# KiCad board Soldered Inkplate 6.kicad_pcb
title: Soldered Inkplate 6; date: 2022-12-09; rev: V1.2.0; company: SOLDERED; note: 333232
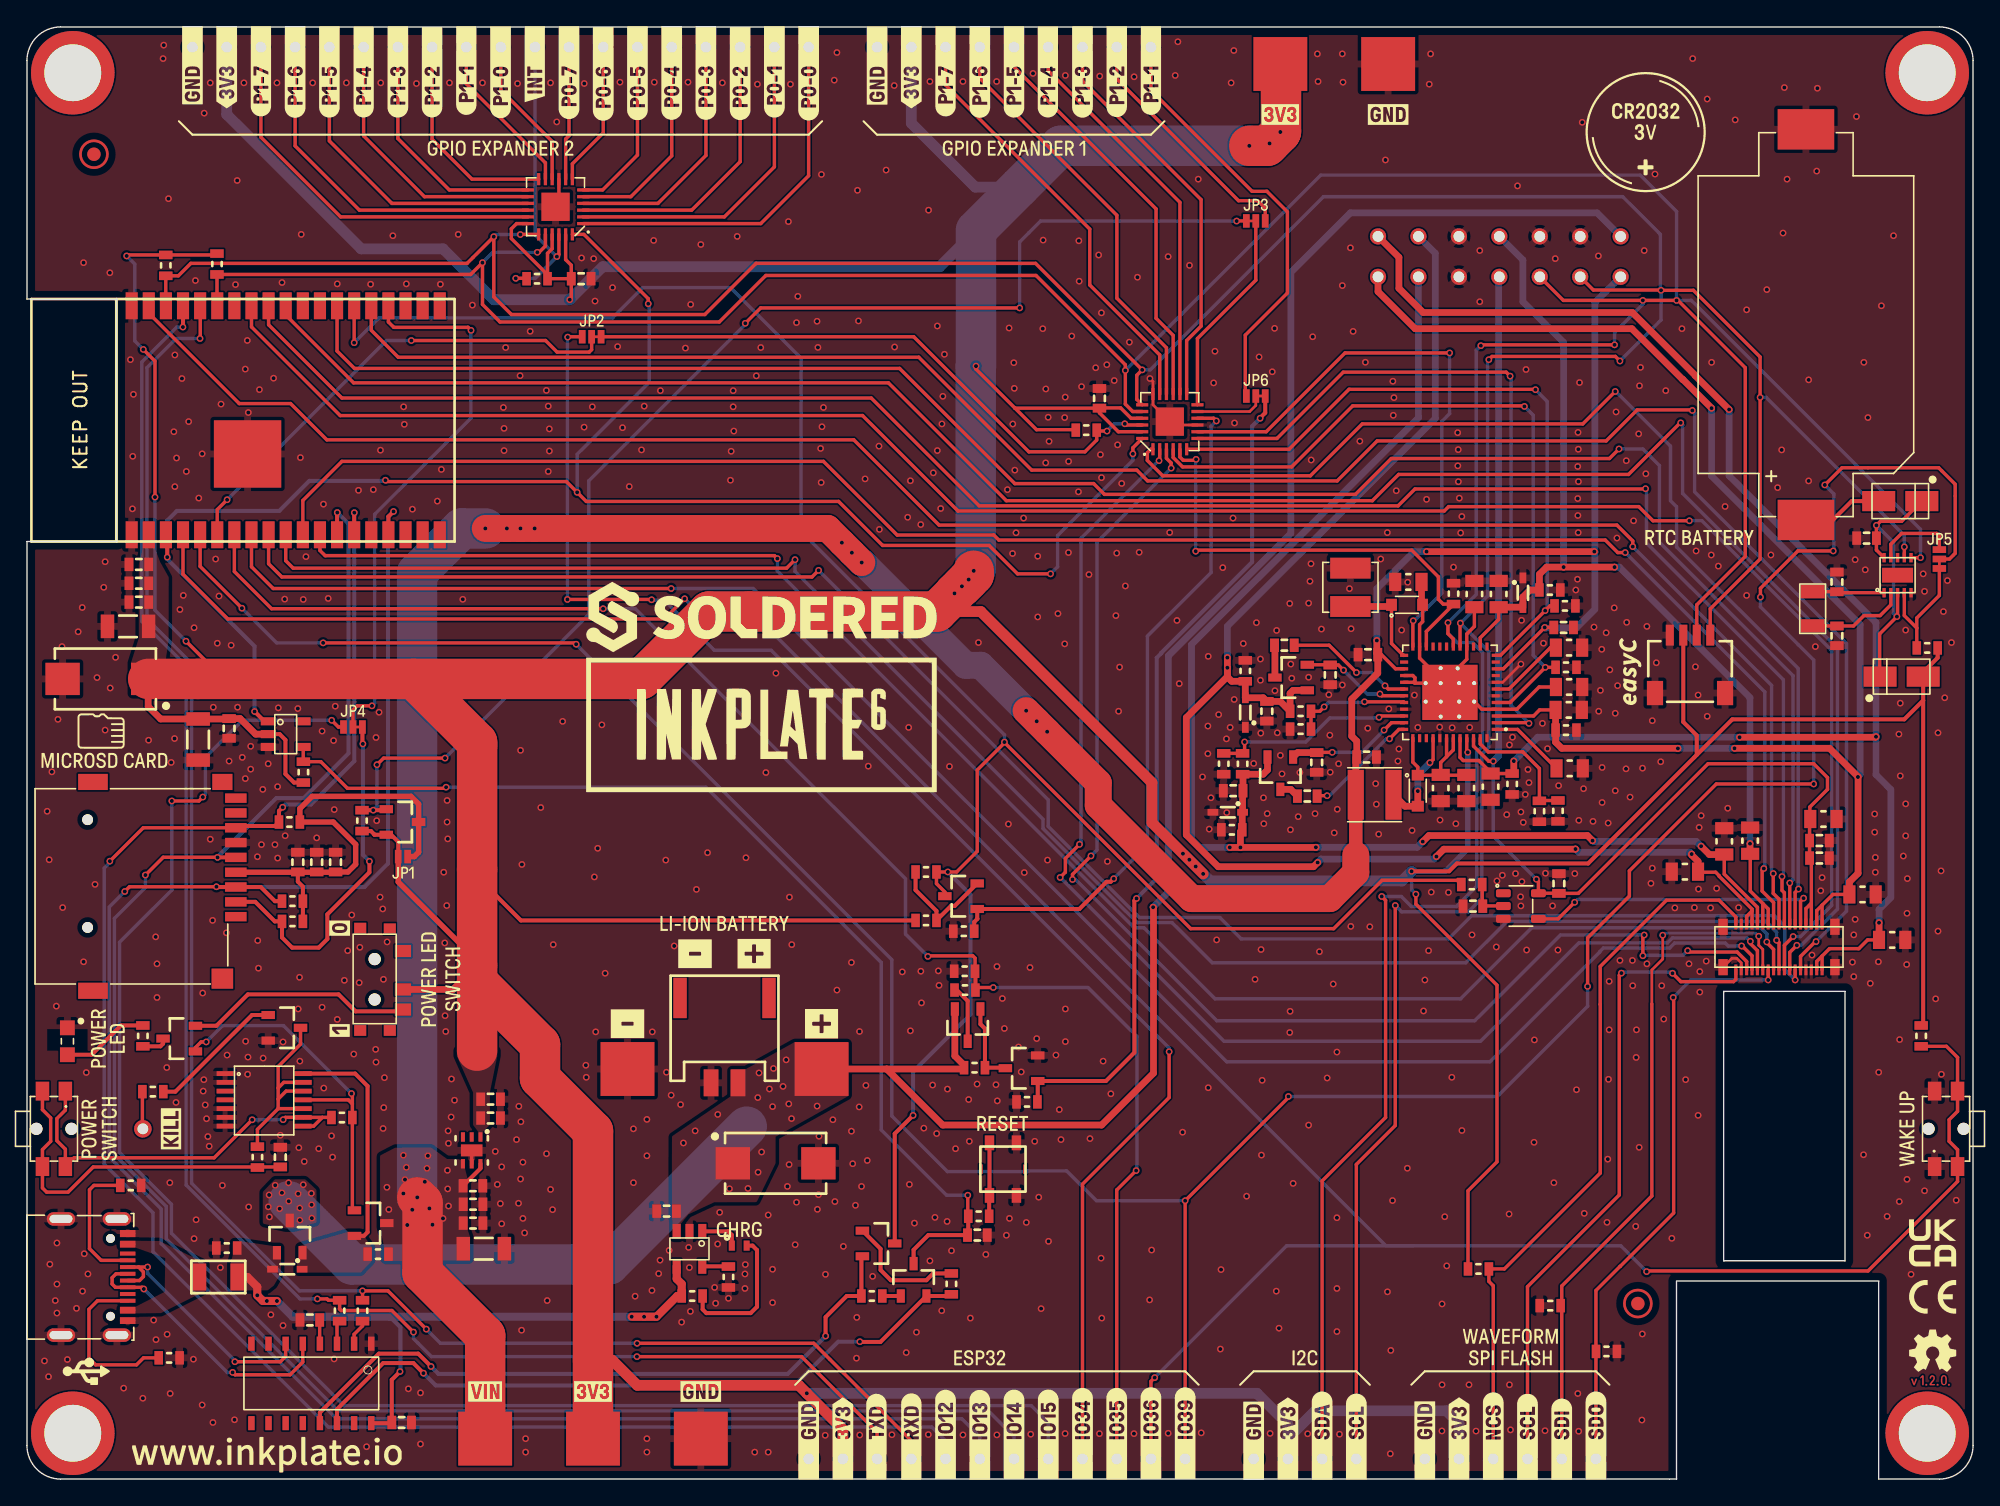
[diagram p0: board, top side]
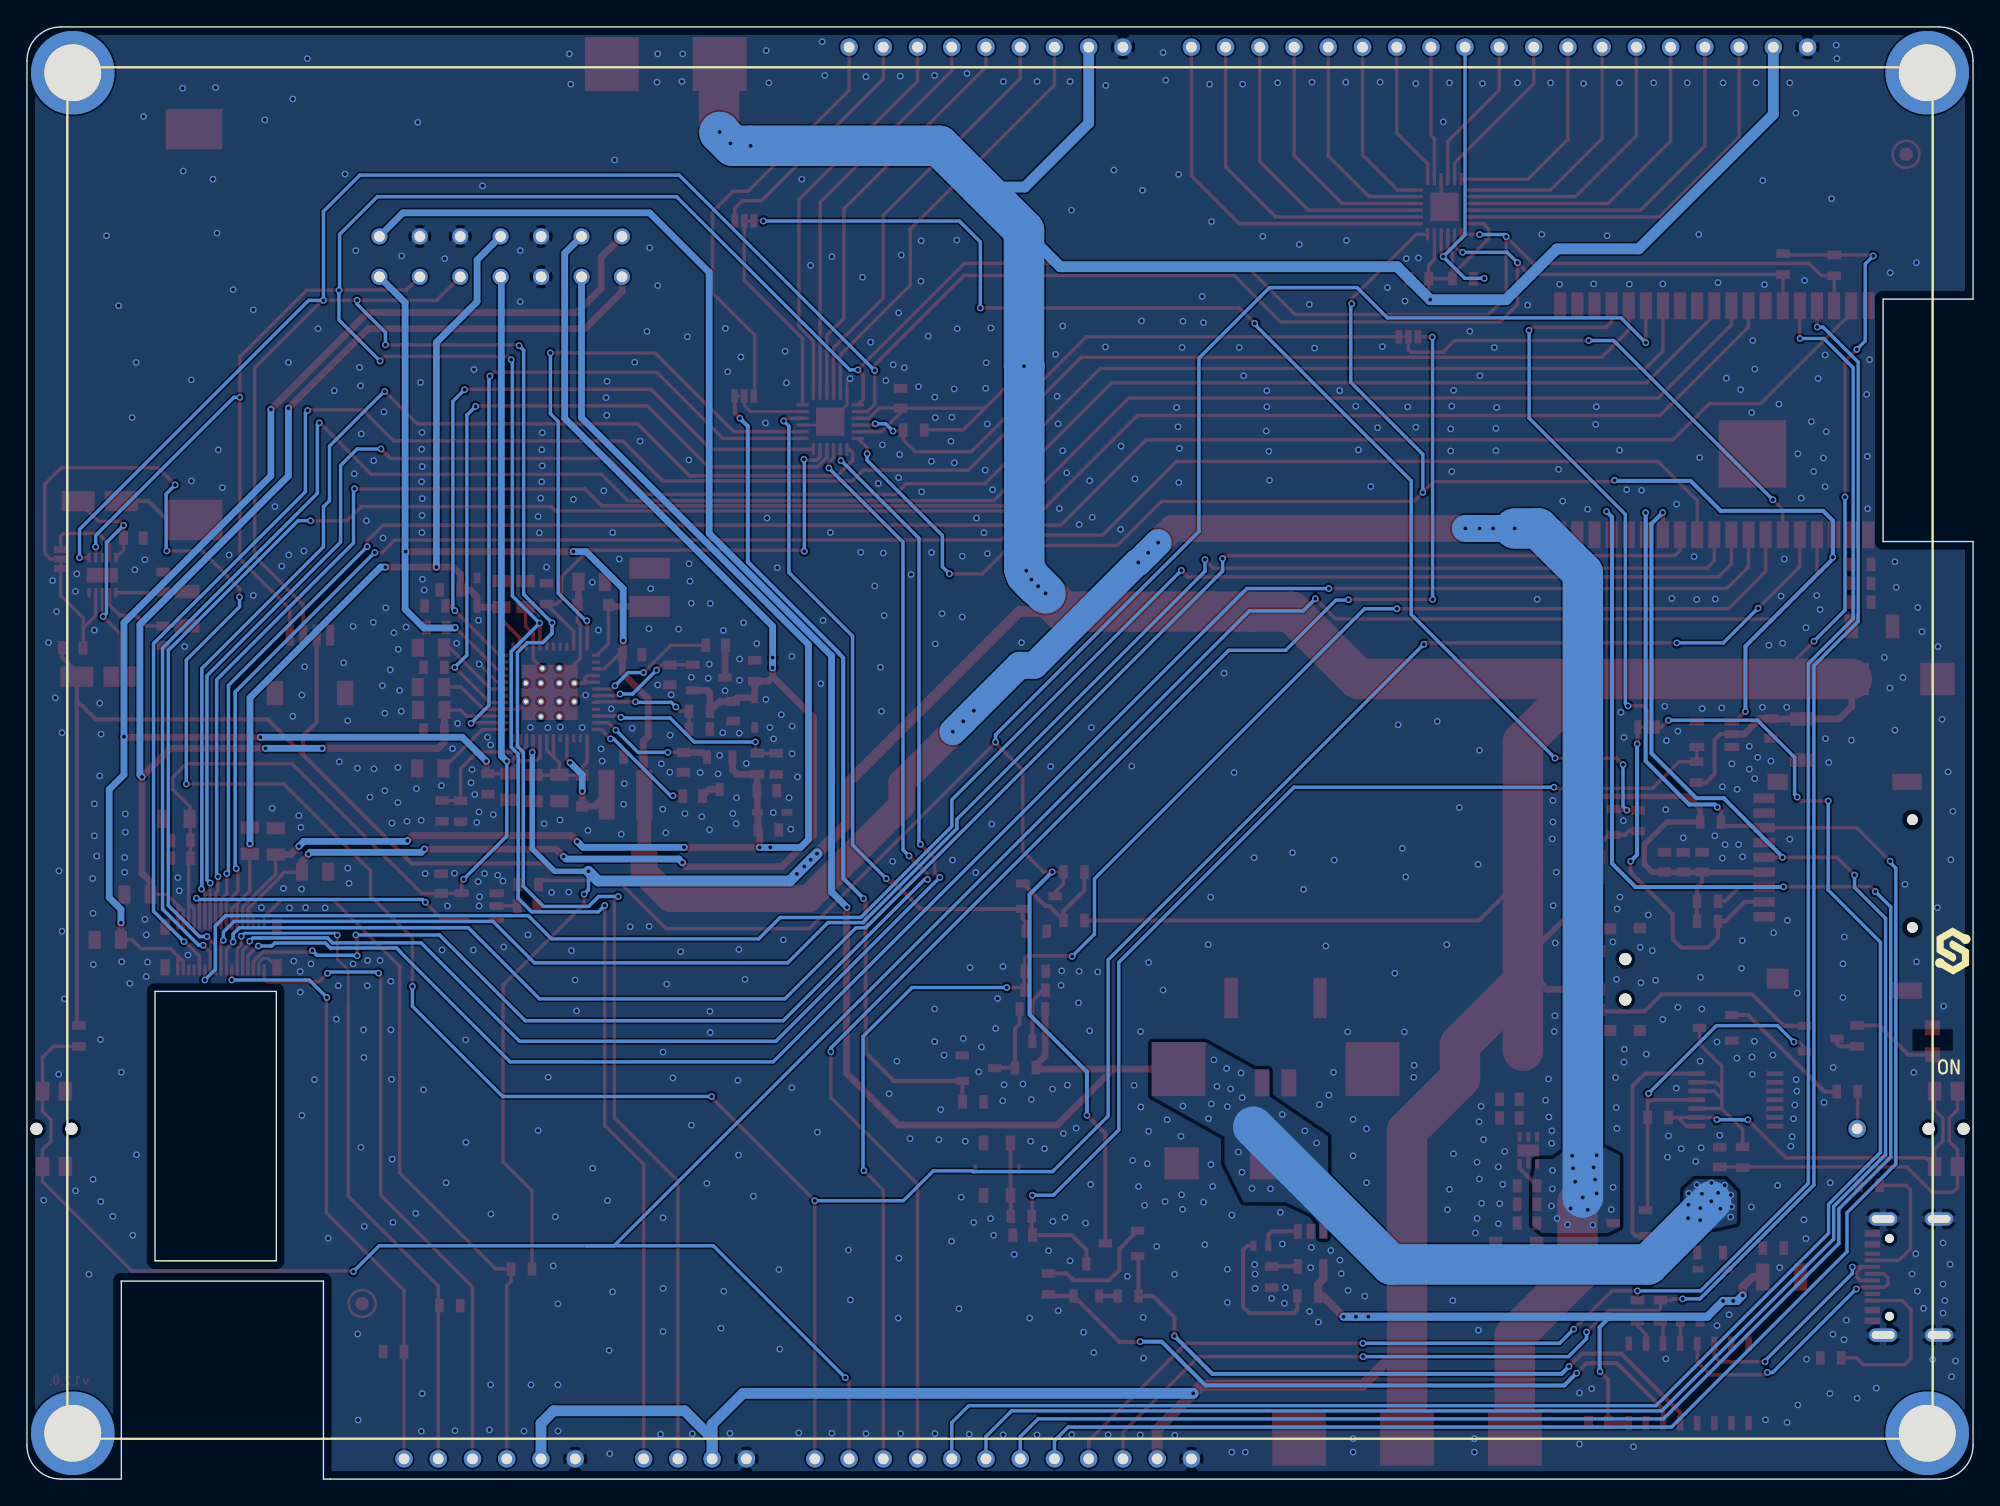
[diagram p1: board, bottom side, seen from below]

Outline 144.4 x 107.8 mm; copper layers: Top, Bottom. Coordinates in mm from the lower left corner of the outline.
Outline path: 0,105.3 arc(0.73,107.07) 2.5,107.8 141.9,107.8 arc(143.67,107.07) 144.4,105.3 144.4,2.5 arc(143.67,0.73) 141.9,0 137.4,0 137.4,14.7 122.4,14.7 122.4,0 2.5,0 arc(0.73,0.73) 0,2.5 0,69.6 6.67,69.6 6.67,87.6 0,87.6 0,105.3 ; 125.9,36.2 125.9,16.2 134.9,16.2 134.9,36.2 125.9,36.2
Stack: Top 0.035mm / dielectric 1.51mm FR4 er 4.5 / Bottom 0.035mm

## Placement (name value [footprint] x y rotation side)
C1  4u7-TMK212AB7475KG-T  [0805C]  114.47 52.76 180 top
C2  4u7-TMK212AB7475KG-T  [0805C]  114.4 57.1 180 top
C3  4u7-TMK212AB7475KG-T  [0805C]  114.43 58.8 180 top
C4  4u7-TMK212AB7475KG-T  [0805C]  114.42 61.72 180 top
C5  10u-GRM188R61E106KA73J  [0603C]  114.02 63.22 180 top
C6  4u7-TMK212AB7475KG-T  [0805C]  109.2 65.7 270 top
C7  4u7-TMK212AB7475KG-T  [0805C]  107.4 65.7 270 top
C8  10u-GRM188R61E106KA73J  [0603C]  99.5 61.2 0 top
C9  4u7-TMK212AB7475KG-T  [0805C]  102.5 66.6 180 top
C10  10u-GRM188R61E106KA73J  [0603C]  99.4 53.6 180 top
C11  4u7-TMK212AB7475KG-T  [0805C]  104.9 51.3 270 top
C12  4u7-TMK212AB7475KG-T  [0805C]  106.8 51.3 90 top
C13  4u7-TMK212AB7475KG-T  [0805C]  108.6 51.4 90 top
C14  2u2-GRM188R61E225MA12D  [0603C]  89.5 51.1 0 top
C15  2u2-GRM188R61E225MA12D  [0603C]  92 57 90 top
C16  10n-AC0603KRX7R8BB103  [0603C]  93.3 61.9 0 top
C17  10n-AC0603KRX7R8BB103  [0603C]  95 50.7 180 top
C18  100n-AC0603KRX7R8BB104  [0603C]  96.7 59.7 90 top
C19  100n-AC0603KRX7R8BB104  [0603C]  95.7 53.2 90 top
C20  DNP  [2917C]  55.55 23.44 0 top
C21  2u2  [0603C]  47.46 19.89 0 top
C22  10u  [1206C]  33.9 17.1 180 top
C23  2u2  [0603C]  33.1 19 180 top
C24  100n  [0603C]  33.1 20.4 180 top
C25  100n  [0603C]  27.8 4.2 180 top
C26  100n  [0603C]  20.99 11.81 0 top
C27  100n  [0603C]  18.8 23.9 270 top
C28  2u2  [0603C]  70.52 18.11 180 top
C29  10u  [1206C]  12.7 54.9 90 top
C30  100n  [0603C]  15 55.72 90 top
C31  100n  [0603C]  113.67 44.21 270 top
C32  2u2  [0603C]  22.9 45.8 270 top
C33  100n  [0603C]  21.5 45.8 270 top
C34  100n  [0603C]  20.1 45.8 270 top
C35  100p  [0603C]  107.29 42.53 0 top
C36  100n  [0603C]  33.09 21.77 180 top
C37  2u2  [0603C]  34.4 28.2 180 top
C38  100n  [0603C]  34.4 26.8 180 top
C39  4u7-TMK212AB7475KG-T  [0805C]  136.2 43.4 180 top
C40  12p  [0603C]  134.3 66.6 270 top
C41  12p  [0603C]  134.3 62.6 90 top
C42  100n  [0603C]  136.5 69.85 0 top
C43  100n  [0603C]  133 46.1 180 top
C44  100n  [0603C]  133 47.4 180 top
C45  4u7-TMK212AB7475KG-T  [0805C]  125.94 47.34 270 top
C46  10u  [1206C]  7.5 63.3 0 top
C47  2u2  [0603C]  8.3 65.1 0 top
C48  100n  [0603C]  8.3 66.5 0 top
C49  100n  [0603C]  8.3 67.9 0 top
C50  DNP  [2917C]  5.82 59.4 180 top
C51  4u7-TMK212AB7475KG-T  [0805C]  138.4 40.03 180 top
C52  4u7-TMK212AB7475KG-T  [0805C]  123.02 45.09 0 top
C53  4u7-TMK212AB7475KG-T  [0805C]  133.3 49 180 top
C54  4u7-TMK212AB7475KG-T  [0805C]  127.86 47.39 270 top
C55  100n  [0603C]  79.58 80.23 270 top
C56  100n  [0603C]  41.12 89.11 180 top
D1  CUS10F30,H3F  [SOD-323-2]  102.4 64.9 0 top
D2  BAT20J  [SOD-323]  89.1 49.5 0 top
D3  CUS10F30,H3F  [SOD-323-2]  103.2 51.1 270 top
D4  BAT20J  [SOD-323]  111 65.8 90 top
D5  BAT20J  [SOD-323]  90.4 56.9 270 top
D6  BAT54S  [SOT-23-3]  93.8 59.5 180 top
D7  RED  [0402LED]  52.85 17.33 180 top
D8  0603LED_SIDE  [LTST-S270GKT]  3 32.5 90 top
D9  BAT54S  [SOT-23-3]  93 52.4 270 top
D10  -  [M4_DIODA]  139.1 59.57 180 top
D11  -  [M4_DIODA]  139 72.6 0 top
D12  BAT20J  [SOD-323]  19.32 15.58 0 top
F1  1206FUSE-500mA  [1206FUSE]  14.2 15 180 top
FD1  FIDUCIAL  [FIDUCIAL_23]  4.97 98.35 0 top
FD2  FIDUCIAL  [FIDUCIAL_23]  119.53 13.03 0 top
G***  LOGO  [Logo-Back-Soldered-3.5mm]  1.5 39.2 0 top
G***#2  LOGO  [Symbol-Front-USB]  4.4 8 270 top
G***#3  LOGO  [Logo-Front-easyC-5mm]  118.9 59.95 90 top
G***#4  LOGO  [Logo-Front-OSH-3.5mm]  141.4 9.53 0 top
G***#5  LOGO  [Symbol-Front-SDcard]  5.5 55.53 270 top
H1  -  [Standoff_M3]  3.4 3.4 0 top
H2  -  [Standoff_M3]  3.4 104.4 0 top
H3  -  [Standoff_M3]  141 104.4 0 top
H4  -  [Standoff_M3]  141 3.4 0 top
JP1  -  [SMD_JUMPER]  27.9 46.21 180 top
JP2  -  [SMD_JUMPER_3_PAD_CONNECTED_LEFT_TRACE]  41.9 84.8 180 top
JP3  -  [SMD_JUMPER_3_PAD_CONNECTED_LEFT_TRACE]  91.18 93.4 0 top
JP4  -  [SMD_JUMPER_3_PAD_CONNECTED_LEFT_TRACE]  24.19 55.83 180 top
JP5  -  [SMD_JUMPER_3_PAD_CONNECTED_LEFT_TRACE]  141.9 68.3 90 top
JP6  -  [SMD_JUMPER_3_PAD_CONNECTED_LEFT_TRACE]  91.18 80.4 180 top
K1  Inkplate_TP  [INKPLATE TEST HEADER]  109.25 90.75 90 top
K2  -  [JST-2pin-SMD]  51.76 32.56 0 top
K3  -  [U262-161N-4BVC11]  3 15 90 top
K4  -  [HEADER_MALE_1X1_Inkplate]  8.6 26 0 top
K5  -  [HEADER_MALE_1X1_Inkplate]  98.64 1.5 180 top
K6  -  [HEADER_MALE_1X1_Inkplate]  91.02 1.5 180 top
K7  -  [HEADER_MALE_1X1_Inkplate]  93.56 1.5 180 top
K8  easyC-SMD  [easyC-connector]  123.4 60.5 180 top
K9  -  [HEADER_MALE_1X1_Inkplate]  96.1 1.5 180 top
K10  -  [HEADER_MALE_1X1_Inkplate]  116.42 1.5 0 top
K11  -  [HEADER_MALE_1X1_Inkplate]  113.88 1.5 0 top
K12  -  [HEADER_MALE_1X1_Inkplate]  108.8 1.5 0 top
K13  -  [HYC77-TF09-200]  10 44 270 top
K14  CR2032_BS-6-1  [CR2032-BS-6-1]  132 85.7 270 top
K15  -  [AXT334124]  130 39.5 180 top
K16  -  [HEADER_MALE_1X1_Inkplate]  111.34 1.5 0 top
K17  -  [HEADER_MALE_1X1_Inkplate]  78.32 1.5 180 top
K18  -  [HEADER_MALE_1X1_Inkplate]  80.86 1.5 0 top
K19  -  [HEADER_MALE_1X1_Inkplate]  78.32 106.3 0 top
K20  -  [HEADER_MALE_1X1_Inkplate]  63.08 1.5 0 top
K21  -  [HEADER_MALE_1X1_Inkplate]  65.62 1.5 0 top
K22  -  [HEADER_MALE_1X1_Inkplate]  73.24 1.5 0 top
K23  -  [HEADER_MALE_1X1_Inkplate]  75.78 106.3 0 top
K24  -  [HEADER_MALE_1X1_Inkplate]  73.24 106.3 0 top
K25  -  [HEADER_MALE_1X1_Inkplate]  68.16 1.5 0 top
K26  -  [HEADER_MALE_1X1_Inkplate]  70.7 1.5 0 top
K27  -  [HEADER_MALE_1X1_Inkplate]  85.94 1.5 0 top
K28  -  [HEADER_MALE_1X1_Inkplate]  83.4 1.5 0 top
K29  -  [HEADER_MALE_1X1_Inkplate]  75.78 1.5 0 top
K30  -  [HEADER_MALE_1X1_Inkplate]  106.26 1.5 0 top
K31  -  [HEADER_MALE_1X1_Inkplate]  70.7 106.3 0 top
K32  -  [HEADER_MALE_1X1_Inkplate]  68.16 106.3 0 top
K33  -  [HEADER_MALE_1X1_Inkplate]  80.86 106.3 0 top
K34  -  [HEADER_MALE_1X1_Inkplate]  83.4 106.3 0 top
K35  -  [HEADER_MALE_1X1_Inkplate]  58 106.3 180 top
K36  -  [HEADER_MALE_1X1_Inkplate]  55.46 106.3 180 top
K37  -  [HEADER_MALE_1X1_Inkplate]  52.92 106.3 180 top
K38  -  [HEADER_MALE_1X1_Inkplate]  50.38 106.3 180 top
K39  -  [HEADER_MALE_1X1_Inkplate]  47.84 106.3 180 top
K40  -  [HEADER_MALE_1X1_Inkplate]  45.3 106.3 180 top
K41  -  [HEADER_MALE_1X1_Inkplate]  42.76 106.3 180 top
K42  -  [HEADER_MALE_1X1_Inkplate]  40.22 106.3 180 top
K43  -  [HEADER_MALE_1X1_Inkplate]  35.16 106.3 180 top
K44  -  [HEADER_MALE_1X1_Inkplate]  32.6 106.3 180 top
K45  -  [HEADER_MALE_1X1_Inkplate]  30.06 106.3 180 top
K46  -  [HEADER_MALE_1X1_Inkplate]  27.52 106.3 180 top
K47  -  [HEADER_MALE_1X1_Inkplate]  24.98 106.3 180 top
K48  -  [HEADER_MALE_1X1_Inkplate]  22.44 106.3 180 top
K49  -  [HEADER_MALE_1X1_Inkplate]  19.9 106.3 180 top
K50  -  [HEADER_MALE_1X1_Inkplate]  17.36 106.3 180 top
K51  -  [HEADER_MALE_1X1_Inkplate]  65.62 106.3 0 top
K52  -  [HEADER_MALE_1X1_Inkplate]  60.54 1.5 180 top
K53  -  [HEADER_MALE_1X1_Inkplate]  37.7 106.3 180 top
K54  -  [HEADER_MALE_1X1_Inkplate]  63.08 106.3 0 top
K55  -  [HEADER_MALE_1X1_Inkplate]  58 1.5 180 top
K56  -  [HEADER_MALE_1X1_Inkplate]  14.82 106.3 180 top
K57  -  [HEADER_MALE_1X1_Inkplate]  12.28 106.3 180 top
K58  -  [HEADER_MALE_1X1_Inkplate]  103.72 1.5 0 top
kibuzzard-630F2B35  G***  [kibuzzard-630F2B35]  5.75 53.35 0 top
kibuzzard-630F2BCB  G***  [kibuzzard-630F2BCB]  6.1 26 90 top
kibuzzard-630F2BF2  G***  [kibuzzard-630F2BF2]  4.6 26 90 top
kibuzzard-630F2CB9  G***  [kibuzzard-630F2CB9]  139.5 26 90 top
kibuzzard-630F2CE7  G***  [kibuzzard-630F2CE7]  72.4 26.4 0 top
kibuzzard-630F2CF7  G***  [kibuzzard-630F2CF7]  52.85 18.53 0 top
kibuzzard-630F2D87  G***  [kibuzzard-630F2D87]  41.9 86 0 top
kibuzzard-630F2D96  G***  [kibuzzard-630F2D96]  91.18 94.6 0 top
kibuzzard-630F2DA4  G***  [kibuzzard-630F2DA4]  91.18 81.6 0 top
kibuzzard-630F2E7E  G***  [kibuzzard-630F2E7E]  27.9 45.01 0 top
kibuzzard-630F2E36  G***  [kibuzzard-630F2E36]  24.19 57.03 0 top
kibuzzard-630F2EA6  G***  [kibuzzard-630F2EA6]  141.9 69.8 0 top
kibuzzard-630F16E4  G***  [kibuzzard-630F16E4]  83.4 104.55 90 top
kibuzzard-630F30FA  G***  [kibuzzard-630F30FA]  111.34 3.15 90 top
kibuzzard-630F31AA  G***  [kibuzzard-630F31AA]  108.8 3.2 90 top
kibuzzard-630F32E8  G***  [kibuzzard-630F32E8]  110.07 9 0 top
kibuzzard-630F170D  G***  [kibuzzard-630F170D]  80.86 104.47 90 top
kibuzzard-630F178A  G***  [kibuzzard-630F178A]  70.7 104.45 90 top
kibuzzard-630F179F  G***  [kibuzzard-630F179F]  68.16 104.5 90 top
kibuzzard-630F182D  G***  [kibuzzard-630F182D]  63.08 104.92 90 top
kibuzzard-630F312B  G***  [kibuzzard-630F312B]  113.88 2.97 90 top
kibuzzard-630F1727  G***  [kibuzzard-630F1727]  78.32 104.45 90 top
kibuzzard-630F1761  G***  [kibuzzard-630F1761]  75.75 104.45 90 top
kibuzzard-630F1777  G***  [kibuzzard-630F1777]  73.24 104.45 90 top
kibuzzard-630F1844  G***  [kibuzzard-630F1844]  65.62 104.8 90 top
kibuzzard-630F3173  G***  [kibuzzard-630F3173]  116.42 3.24 90 top
kibuzzard-633AAC66  G***  [kibuzzard-633AAC66]  110.07 10.6 0 top
kibuzzard-633C0D71  G***  [kibuzzard-633C0D71]  6.7 32.71 90 top
kibuzzard-6374A0A8  G***  [kibuzzard-6374A0A8]  83.4 3.41 90 top
kibuzzard-6374A0B7  G***  [kibuzzard-6374A0B7]  85.94 3.41 90 top
kibuzzard-6374A0DD  G***  [kibuzzard-6374A0DD]  96.1 3.23 90 top
kibuzzard-6374A0EC  G***  [kibuzzard-6374A0EC]  98.64 3.16 90 top
kibuzzard-6374A001  G***  [kibuzzard-6374A001]  93.56 3.02 90 top
kibuzzard-6374A001#2  G***  [kibuzzard-6374A001]  60.54 3.03 90 top
kibuzzard-6374A001#3  G***  [kibuzzard-6374A001]  106.26 3.03 90 top
kibuzzard-6374A02A  G***  [kibuzzard-6374A02A]  65.62 3.16 90 top
kibuzzard-6374A4A9  G***  [kibuzzard-6374A4A9]  24.98 104.45 90 top
kibuzzard-6374A4B8  G***  [kibuzzard-6374A4B8]  27.52 104.45 90 top
kibuzzard-6374A4C7  G***  [kibuzzard-6374A4C7]  30.06 104.45 90 top
kibuzzard-6374A4D7  G***  [kibuzzard-6374A4D7]  32.6 104.55 90 top
kibuzzard-6374A4E8  G***  [kibuzzard-6374A4E8]  35.14 104.42 90 top
kibuzzard-6374A04F  G***  [kibuzzard-6374A04F]  70.7 3.29 90 top
kibuzzard-6374A4FE  G***  [kibuzzard-6374A4FE]  37.68 105.03 90 top
kibuzzard-6374A05F  G***  [kibuzzard-6374A05F]  73.24 3.31 90 top
kibuzzard-6374A06F  G***  [kibuzzard-6374A06F]  75.78 3.31 90 top
kibuzzard-6374A09B  G***  [kibuzzard-6374A09B]  80.86 3.38 90 top
kibuzzard-6374A013  G***  [kibuzzard-6374A013]  63.03 3.16 90 top
kibuzzard-6374A040  G***  [kibuzzard-6374A040]  68.16 3.31 90 top
kibuzzard-6374A43B  G***  [kibuzzard-6374A43B]  14.82 104.8 90 top
kibuzzard-6374A58E  G***  [kibuzzard-6374A58E]  58 104.35 90 top
kibuzzard-6374A086  G***  [kibuzzard-6374A086]  78.32 3.38 90 top
kibuzzard-6374A375  G***  [kibuzzard-6374A375]  70.7 9 0 top
kibuzzard-6374A397  G***  [kibuzzard-6374A397]  94.83 9 0 top
kibuzzard-6374A419  G***  [kibuzzard-6374A419]  12.28 104.95 90 top
kibuzzard-6374A452  G***  [kibuzzard-6374A452]  17.36 104.5 90 top
kibuzzard-6374A470  G***  [kibuzzard-6374A470]  19.9 104.45 90 top
kibuzzard-6374A498  G***  [kibuzzard-6374A498]  22.44 104.45 90 top
kibuzzard-6374A512  G***  [kibuzzard-6374A512]  40.22 104.4 90 top
kibuzzard-6374A524  G***  [kibuzzard-6374A524]  42.76 104.33 90 top
kibuzzard-6374A533  G***  [kibuzzard-6374A533]  45.3 104.35 90 top
kibuzzard-6374A545  G***  [kibuzzard-6374A545]  47.84 104.38 90 top
kibuzzard-6374A558  G***  [kibuzzard-6374A558]  50.38 104.38 90 top
kibuzzard-6374A567  G***  [kibuzzard-6374A567]  52.92 104.35 90 top
kibuzzard-6374A576  G***  [kibuzzard-6374A576]  55.46 104.45 90 top
kibuzzard-6374BB6B  G***  [kibuzzard-6374BB6B]  51.76 41.25 0 top
kibuzzard-6392D34F  G***  [kibuzzard-6392D34F]  53.95 39 0 top
kibuzzard-6392D302  G***  [kibuzzard-6392D302]  44.56 33.8 0 top
kibuzzard-6392D344  G***  [kibuzzard-6392D344]  49.57 39 0 top
kibuzzard-6392D358  G***  [kibuzzard-6392D358]  58.96 33.8 0 top
kibuzzard-63749FD7  G***  [kibuzzard-63749FD7]  103.72 2.88 90 top
kibuzzard-63749FD7#2  G***  [kibuzzard-63749FD7]  91.02 2.85 90 top
kibuzzard-63749FD7#3  G***  [kibuzzard-63749FD7]  58 2.88 90 top
kibuzzard-63806D1F  G***  [kibuzzard-63806D1F]  35.14 98.8 0 top
kibuzzard-63806D8A  G***  [kibuzzard-63806D8A]  34 6.5 0 top
kibuzzard-63806D9D  G***  [kibuzzard-63806D9D]  42 6.5 0 top
kibuzzard-63806D44  G***  [kibuzzard-63806D44]  73.24 98.8 0 top
kibuzzard-63806DA8  G***  [kibuzzard-63806DA8]  50 6.5 0 top
kibuzzard-63806DC4  G***  [kibuzzard-63806DC4]  101 101.3 0 top
kibuzzard-63806DD4  G***  [kibuzzard-63806DD4]  93 101.3 0 top
kibuzzard-63806DE7  G***  [kibuzzard-63806DE7]  10.69 26 90 top
kibuzzard-63806DF5  G***  [kibuzzard-63806DF5]  29.8 37.1 90 top
kibuzzard-63806E00  G***  [kibuzzard-63806E00]  31.6 37.1 90 top
kibuzzard-63806E1B  G***  [kibuzzard-63806E1B]  23.2 40.9 90 top
kibuzzard-63806E27  G***  [kibuzzard-63806E27]  23.2 33.3 90 top
kibuzzard-63806FD0  G***  [kibuzzard-63806FD0]  1.8 30.6 180 bottom
kibuzzard-63807000  G***  [kibuzzard-63807000]  124.1 69.9 0 top
kibuzzard-63809512  G***  [kibuzzard-63809512]  5.3 32.71 90 top
L1  LQH44PN4R7MP0L  [1515L]  98.2 66.2 270 top
L2  NR4012T2R2M  [NR4012]  100 50.8 0 top
PAD1  -  [PAD_4x4]  58.96 30.44 0 top
PAD2  -  [PAD_4x4]  44.56 30.44 0 top
PAD3  PAD_4x4  [PAD_4x4#2]  102 104.97 90 top
PAD4  -  [PAD_4x4]  34 3 90 top
PAD5  -  [PAD_4x4]  93 105.05 90 top
PAD6  -  [PAD_4x4]  42 3 0 top
PAD7  -  [PAD_4x4]  50 3 0 top
Q1  PMOS  [SOT-23-3]  69.8 33.7 270 top
Q2  PMOS  [SOT-23-3]  11.3 32.7 180 top
Q3  NMOS  [SOT-23-3]  73.8 30.5 180 top
Q4  SSM3J358R,LF  [SOT-23-3]  19.5 18 90 top
Q5  NPN  [SOT-23-3]  65.79 14.79 90 top
Q6  NPN  [SOT-23-3]  19.1 33.5 0 top
Q7  NPN  [SOT-23-3]  63.19 17.49 0 top
Q8  SSM3J358R,LF  [SOT-23-3]  25.5 19 0 top
Q9  DNP  [SOT-23-3]  69.31 43.27 180 top
Q10  PMOS  [SOT-23-3]  27.86 48.78 0 top
R1  10k  [0603R]  10.3 90.1 90 top
R2  NTC-NCP18XH103F03RB  [0603R]  113.6 49.6 90 top
R3  43k-RC0603FR-0743KL  [0603R]  112.22 49.58 90 top
R4  10k  [0603R]  14.1 90.2 90 top
R5  100k  [0603R]  114.2 60.26 0 top
R6  100k  [0603R]  114.12 64.82 0 top
R7  100k  [0603R]  105.85 65.73 90 top
R8  4k7  [0603R]  114.2 55.6 0 top
R9  1k  [0603R]  49.36 13.59 0 top
R10  2k49  [0603R]  52.05 15 270 top
R11  510k  [0603R]  70.31 30.54 180 top
R12  5k1  [0603R]  10.55 9 0 top
R13  5k1  [0603R]  7.7 21.8 0 top
R14  1k  [0603R]  8.6 32.9 90 top
R15  100k  [0603R]  74.2 28 0 top
R16  100k  [0603R]  69.6 36.3 180 top
R17  100k  [0603R]  69.57 37.7 0 top
R18  DNP  [0603R]  26.05 16.7 0 top
R19  10k  [0603R]  62.69 13.59 180 top
R20  4k7  [0603R]  110.2 51.6 270 top
R21  1k  [0603R]  9.34 28.76 180 top
R22  10k  [0603R]  68.59 14.49 270 top
R23  1k  [0603R]  23.2 12.5 90 top
R24  1k  [0603R]  24.9 12.5 90 top
R25  100k  [0603R]  23.37 26.84 0 top
R26  100k  [0603R]  17.1 23.9 90 top
R27  1k  [0603R]  66.71 41.47 180 top
R28  0R  [0603R]  66.71 45.07 180 top
R29  DNP  [0603R]  69.51 40.67 0 top
R30  47R  [0603R]  70.62 19.51 180 top
R31  100k  [0603R]  140.55 32.9 90 top
R32  4k7  [0603R]  89.4 48.2 0 top
R33  10k  [0603R]  141 61.7 0 top
R34  1k  [0603R]  117.2 9.47 180 top
R35  1k  [0603R]  113.03 12.88 0 top
R36  1k  [0603R]  107.7 15.6 0 top
R37  4k7  [0603R]  113 66 180 top
R38  4k7  [0603R]  90.4 60 270 top
R39  1M  [0603R]  90.2 53.1 270 top
R40  47k5-RC0603FR-0747K5L  [0603R]  88.8 53.1 90 top
R41  1M  [0603R]  94.5 57 180 top
R42  52k3-RC0603FR-0752K3L  [0603R]  94.5 55.67 0 top
R43  100k  [0603R]  14.83 17.15 0 top
R44  100k  [0603R]  24.86 48.88 90 top
R45  10k  [0603R]  78.6 77.87 0 top
R46  47k  [0603R]  20.51 52.48 270 top
R47  100k  [0603R]  19.7 41.4 0 top
R48  100k  [0603R]  19.7 42.9 0 top
R49  100k  [0603R]  19.47 48.78 0 top
R50  330R  [0603R]  107.21 44.14 0 top
R51  10k  [0603R]  37.85 89.11 180 top
REF**  -  [Logo-Front-CE-3.5mm]  141.4 13.53 0 top
REF**#2  -  [Logo-Front-InkplateWebPage-20mm]  17.8 1.8 0 top
REF**#3  -  [Logo-Front-UKCA-3.5mm]  141.4 17.53 0 top
REF**#4  -  [Version1.2.0]  141.3 7.3 0 top
REF**#5  -  [Logo-Front-Inkplate6]  54.5 56 0 top
REF**#6  -  [Logo-Front-SolderedFULL-26mm]  54.5 64 0 top
REF**#7  -  [Symbol-Front-CR2032]  120.1 100 0 top
S1  -  [SK-3296S-01-L1]  25.8 37.1 90 top
SW1  -  [K2-1114SA-A4SW-06]  2 26 270 top
SW2  -  [YTSA007A0151803B]  72.42 23.01 270 top
SW3  -  [K2-1114SA-A4SW-06]  142.4 26 90 top
U1  TPS65186RGZ  [VQFN-49]  105.59 58.4 180 top
U2  MCP73831T  [SOT-23-5]  49.16 17.09 270 top
U3  -  [TPS7A2633DRVR]  33 24.4 270 top
U4  MC14093BDTR2G  [TSSOP-14]  14.7 30.1 0 top
U5  CH340C  [SOP-16]  21.1 7.1 270 top
U6  TPS3840PL27DBVR  [SOT-23-5]  19.2 55.3 0 top
U7  -  [SN74LVC1G34DBV]  110.85 42.54 0 top
U8  -  [PCAL6416AHF,128]  84.8 78.5 90 top
U9  -  [PCAL6416AHF,128]  39.22 94.45 180 top
U10  -  [PCF85063A]  138.8 67.1 90 top
U11  -  [ED060SC7]  72.2 53.9 0 bottom
U12  -  [ESP32-WROVER]  19.2 78.6 90 top
X1  7LC32768F12UC  [ABS07AIG-32.768KHZ-7-D-T]  132.5 64.61 270 top

## Library data of the parts
D7 = -: Package: 0402

## Footprints (pads in the part's own frame, mm; a bottom-side part is the same pattern mirrored in y, then rotated)
0402LED
  rect 0.45x0.75 smd: 1(-0.55,0) 2(0.55,0)
0603C
  rect 0.66x1 smd: 1(-0.73,0) 2(0.73,0)
0603R
  rect 0.64x1 smd: 1(-0.775,0) 2(0.775,0)
0805C
  rect 0.9x1.35 smd: 1(-0.975,0) 2(0.975,0)
1206C
  rect 1x1.75 smd: 1(-1.525,0) 2(1.525,0)
1206FUSE
  rect 1x2 smd: 1(-1.4,0) 2(1.4,0)
1515L
  rect 1.55x3 smd: 1(-1.425,0) 2(1.425,0)
2917C
  rect 2.55x2.4 smd: 1(-3.175,0) 2(3.175,0)
ABS07AIG-32.768KHZ-7-D-T
  rect 1x1.8 smd: 1(-1.275,0) 2(1.275,0)
AXT334124
  rect 0.23x0.8 smd: 1(-3.2,-1.7) 2(-3.2,1.7) 3(-2.8,-1.7) 4(-2.8,1.7) 5(-2.4,-1.7) 6(-2.4,1.7) 7(-2,-1.7) 8(-2,1.7) 9(-1.6,-1.7) 10(-1.6,1.7) 11(-1.2,-1.7) 12(-1.2,1.7) 13(-0.8,-1.7) 14(-0.8,1.7) 15(-0.4,-1.7) 16(-0.4,1.7) 17(0,-1.7) 18(0,1.7) 19(0.4,-1.7) 20(0.4,1.7) 21(0.8,-1.7) 22(0.8,1.7) 23(1.2,-1.7) 24(1.2,1.7) 25(1.6,-1.7) 26(1.6,1.7) 27(1.999,-1.7) 28(1.999,1.7) 29(2.398,-1.7) 30(2.398,1.7) 31(2.8,-1.7) 32(2.8,1.7) 33(3.2,-1.7) 34(3.2,1.7)
  rect 0.7x1.2 smd: SH(-4.15,1.5) SH(-4.15,-1.5) SH(4.15,1.5) SH(4.15,-1.5)
CR2032-BS-6-1
  rect 3x4.2 smd: +(14.5,0) -(-14.5,0)
easyC-connector
  rect 0.6x1.55 smd: 1(-1.5,-2.15) 2(-0.5,-2.15) 3(0.5,-2.15) 4(1.5,-2.15)
  rect 1.2x1.8 smd: 5(-2.6,2.15) 5(2.6,2.15)
ESP32-WROVER
  rect 2x0.9 smd: 1(-8.5,11.43) 2(-8.5,10.16) 3(-8.5,8.89) 4(-8.5,7.62) 5(-8.5,6.35) 6(-8.5,5.08) 7(-8.5,3.81) 8(-8.5,2.54) 9(-8.5,1.27) 10(-8.5,0) 11(-8.5,-1.27) 12(-8.5,-2.54) 13(-8.5,-3.81) 14(-8.5,-5.08) 15(-8.5,-6.35) 16(-8.5,-7.62) 17(-8.5,-8.89) 18(-8.5,-10.16) 19(-8.5,-11.43) 20(8.5,-11.43) 21(8.5,-10.16) 22(8.5,-8.89) 23(8.5,-7.62) 24(8.5,-6.35) 25(8.5,-5.08) 26(8.5,-3.81) 27(8.5,-2.54) 28(8.5,-1.27) 29(8.5,0) 30(8.5,1.27) 31(8.5,2.54) 32(8.5,3.81) 33(8.5,5.08) 34(8.5,6.35) 35(8.5,7.62) 36(8.5,8.89) 37(8.5,10.16) 38(8.5,11.43)
  rect 5x5 smd: 39(-2.5,2.83)
FIDUCIAL_23
  round 1 smd: 1(0,0)
HEADER_MALE_1X1_Inkplate
  round 1.3 hole 0.8: 1(0,0)
HYC77-TF09-200
  round 0.8 hole 1 unplated: (-4.95,-5.5) (3.05,-5.5)
  rect 0.7x1.6 smd: 1(2.25,5.5) 2(1.15,5.5) 3(0.05,5.5) 4(-1.05,5.5) 5(-2.15,5.5) 6(-3.25,5.5) 7(-4.35,5.5) 8(-5.45,5.5) CD(-6.55,5.5)
  rect 1.2x2.2 smd: 12(7.75,-5.1) MNT(-7.75,-5.1)
  rect 1.2x1.5 smd: MNT(-7.75,4.5)
  rect 1.5x1.6 smd: MNT(6.85,4.5)